# Allegro board Coral-Dev-Board-Mini-layout-Allegro.brd (continued)
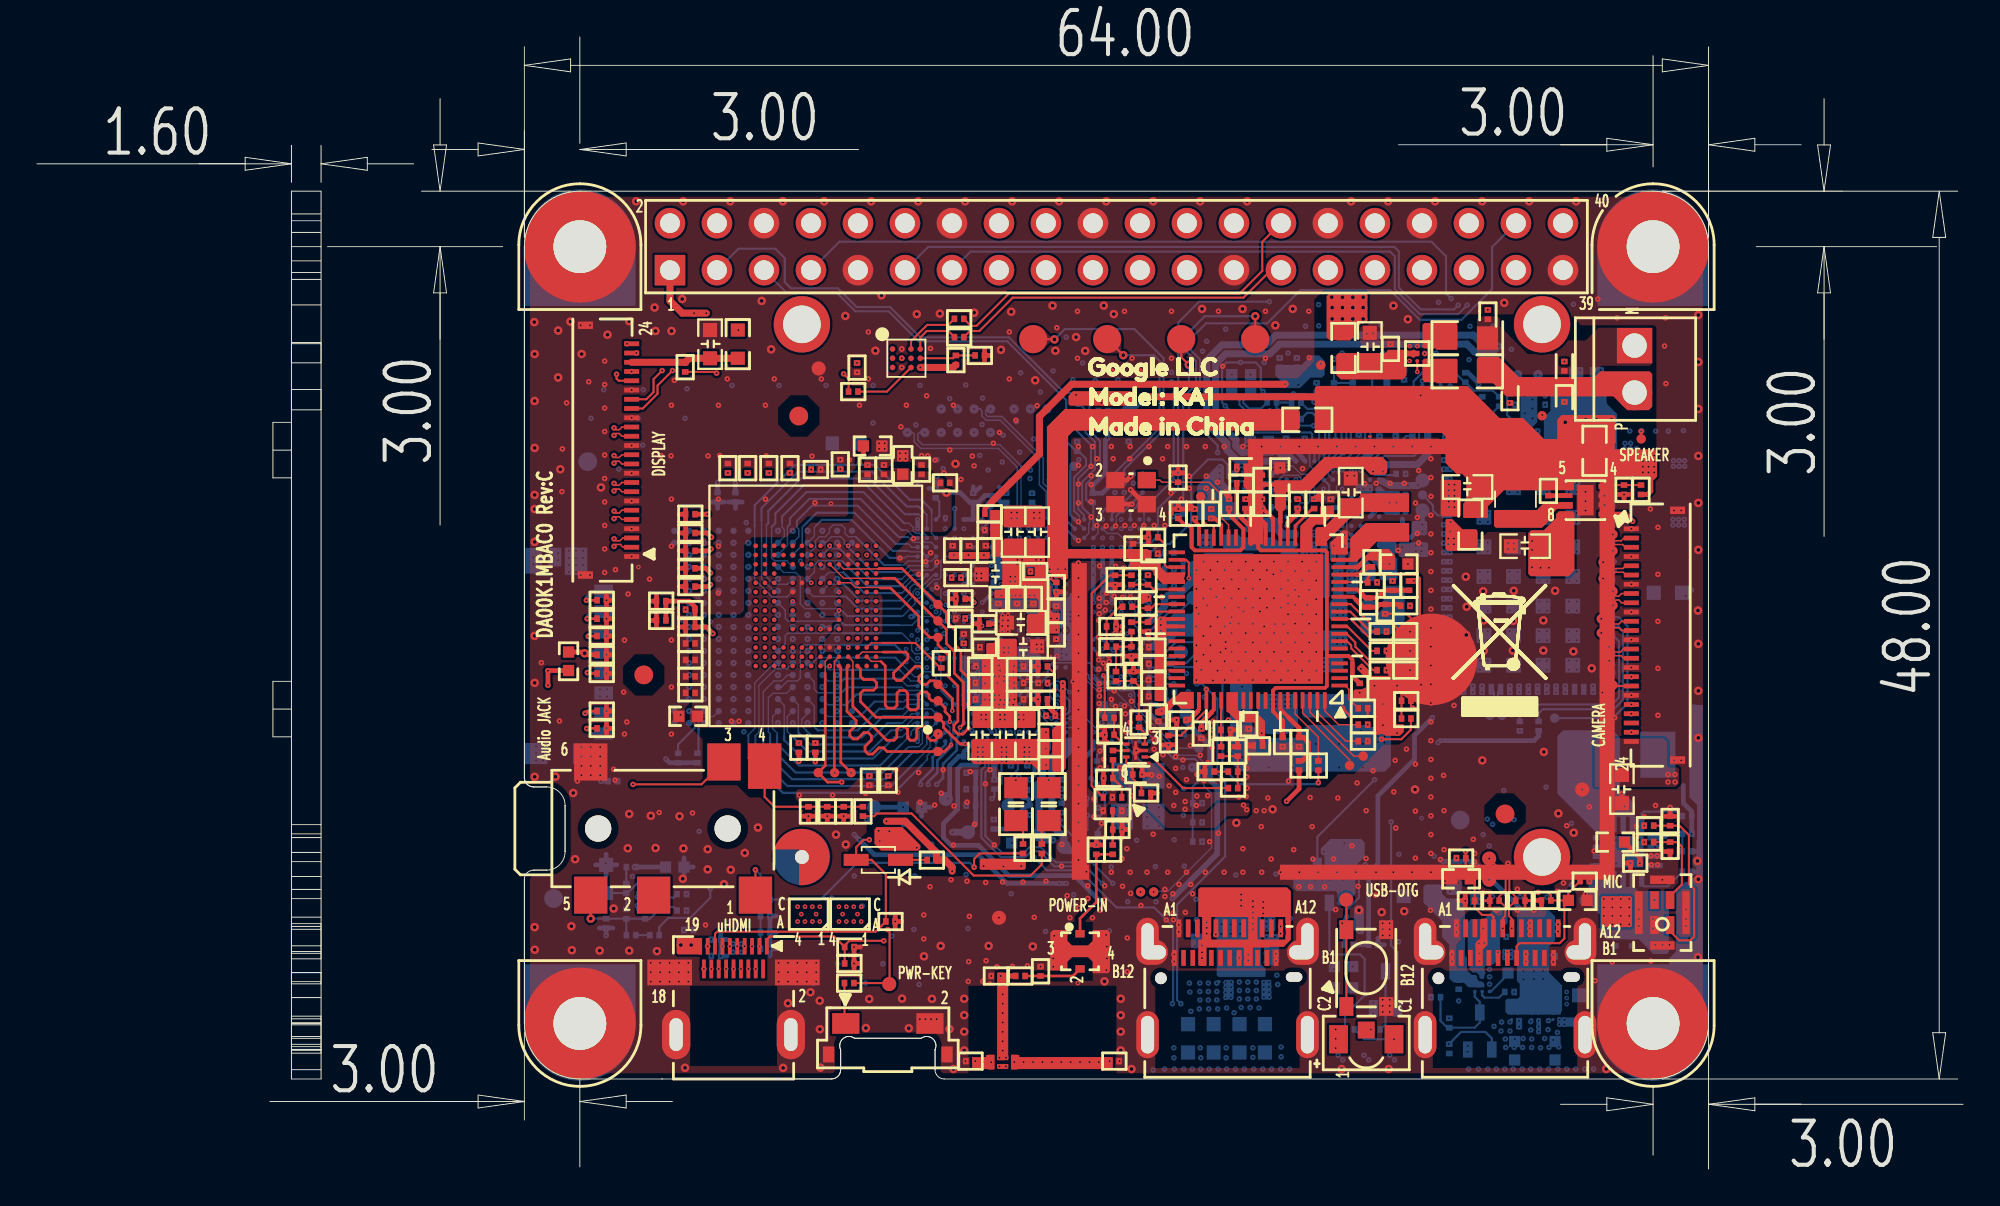
[diagram p0: board, top side]
## Routing (per net, layer and track width the routed paths; a pad name or vN(x,y) marks a point on that pad's centre or on a via; arc(x,y) is an arc through that point) (continued)
SYSRST_B: length 23.1
  TOP w0.114: v3(63.2,25.94) 63.2,25.8 63.2,25.8 U8.60 63.2,24.81 61.83,23.44 R97.1
  L04_IN2 w0.084: v15(63.48,28.16) 63.73,27.91 63.73,27.3 63.2,26.77 v3(63.2,25.94)
  L07_IN3 w0.084: v15(63.48,28.16) 63.48,28.35 62.35,29.48 62.35,31.4 61.19,32.56 60.99,32.56 59.59,33.96 59.59,34.44 56.31,37.72 v9(56.31,38.35)
  BOTTOM w0.114: U6.V1 55.84,35.37 55.84,37.8 TP10.1 56.31,38.27 v9(56.31,38.35)
TS_INTB: length 52.9
  L08_IN4 w0.089: v10(51.02,24.38) 51.02,23.73 50.59,23.29 50.59,22.93 49.71,22.06 49.71,20.94 48.88,20.11 48.08,20.11 47.09,19.12 43.84,19.12 43.21,19.76 43.2,19.76 43.16,19.79 38.92,19.79 38.35,20.36 30.61,20.36 28.11,22.87 28.11,27.4 27.71,27.8 27.71,40.58 31.25,44.12 v7(32.39,44.12)
  BOTTOM w0.076: v10(51.02,24.38) 51.02,24.18 U6.J24
TS_RESETB: length 54.4
  L08_IN4 w0.089: v10(51.51,24.48) 51.19,24.16 51.19,23.66 50.78,23.25 50.78,22.85 49.91,21.99 49.91,20.26 49.38,19.73 48,19.73 47.13,18.87 43.82,18.87 43.08,19.6 38.84,19.6 38.27,20.17 30.53,20.17 27.92,22.79 27.92,27.32 27.48,27.76 27.48,40.66 31.44,44.62 v7(31.88,44.62)
  BOTTOM w0.076: U6.K24 52.09,23.72 51.84,23.97 51.84,24.33 51.69,24.48 v10(51.51,24.48)
UART0.RX: length 29.2
  TOP w0.114: TP50.1 54.97,44.87 v17(54.99,44.85)
  L03_IN1 w0.089: J6.10 45.94,49.57 45.94,48.09 47.11,46.92 51.44,46.92 52.62,45.75 52.75,45.75 53.65,44.85 v17(54.99,44.85)
  BOTTOM w0.114: v17(54.99,44.85) 55.55,45.41 59.31,45.41 60.89,43.83 60.89,39.96 58.76,37.83 U5.C2
UART0.TX: length 31.8
  TOP w0.114: v17(58.71,44) TP51.1
  L03_IN1 w0.089: v17(58.71,44) 58.69,44 57.97,44.72 56.6,44.72 55.75,43.86 54.37,43.86 52.67,45.56 52.52,45.56 51.35,46.73 47.01,46.73 45.63,48.11 45.63,49.43 44.97,50.09 42.87,50.09 J6.8
  BOTTOM w0.114: v17(58.71,44) 60.36,44 60.67,43.69 60.67,40.05 58.26,37.64 U5.C1
UART0_RX: length 2.1
  L08_IN4 w0.089: v10(58.59,34.62) 58.84,34.87 58.84,36.49 v9(58.76,36.57)
UART0_TX: length 1.6
  L08_IN4 w0.089: v9(58.26,36.57) 58.59,36.24 v10(58.59,35.12)
UART1.RX: length 27.1
  L07_IN3 w0.084: J6.31 71.33,47.62 69.05,47.62 68.46,47.03 62.09,47.03 60.05,44.99 58.47,44.99 57.19,46.28 v7(57.03,46.28)
  L08_IN4 w0.089: v7(57.03,46.28) 57.22,46.09 57.22,42.72 59.76,40.18 v9(59.76,37.57)
UART1.TX: length 25.4
  L07_IN3 w0.084: J6.29 68.39,47.22 62.01,47.22 59.97,45.18 58.55,45.18 57.16,46.57 56.78,46.57 v7(56.67,46.47)
  L08_IN4 w0.089: v7(56.67,46.47) 56.67,46.19 57.03,45.84 57.03,42.64 59.57,40.1 59.57,37.88 v9(59.26,37.57)
UART1_RX: length 2.7
  BOTTOM w0.076: 58.33,35.31 58.33,34.86 U6.AB2
  BOTTOM w0.114: 58.33,35.31 58.52,35.5 58.69,35.5 U5.A4
UART1_TX: length 1.9
  BOTTOM w0.114: U5.A3 59.26,36.56 58.09,35.39 U6.AB1
UART2_RX: length 4.4
  BOTTOM w0.076: 60.25,29.19 60.24,29.18 60.03,29.18 59.83,28.98 59.83,28.52 59.83,28.51 59.83,28.36 U6.AE15
  BOTTOM w0.114: TP113.1 62.49,30.86 61.83,30.21 61.7,30.21 61.27,30.21 60.25,29.19
UART2_TX: length 2.4
  BOTTOM w0.076: U6.AE16 59.6,27.63 59.85,27.63
  BOTTOM w0.114: TP112.1 61.51,27.64 60.71,27.64 60.71,27.63 59.85,27.63
USB_APEX.USB_APEX_D_M: length 34
  L03_IN1 w0.089: v15(75.06,18.18) 74.88,18 73.31,18 72.27,19.04 65.33,19.04 64.62,19.76 64.62,21.33 62.61,23.34 62.61,25.53 61.22,26.92 60.16,26.92 60,27.07 59.48,27.07 59.27,26.86 59.27,26.75 v15(59.06,26.54)
  L07_IN3 w0.086: v15(59.06,26.54) 59.24,26.36 59.24,26.27 v10(59.09,26.12)
  L08_IN4 w0.089: v9(78.52,24.53) 78.74,24.31 78.74,19.53 77.19,17.98 75.26,17.98 v15(75.06,18.18)
  BOTTOM w0.099: U31.14 78.74,25.79 78.74,24.63 78.65,24.53 v9(78.52,24.53)
USB_APEX.USB_APEX_D_P: length 34
  L03_IN1 w0.089: v15(59.62,26.54) 59.47,26.69 59.47,26.78 59.56,26.87 59.92,26.87 60.07,26.71 61.14,26.71 62.41,25.44 62.41,23.25 64.42,21.25 64.42,19.67 65.25,18.84 72.19,18.84 73.23,17.8 74.88,17.8 v15(75.06,17.62)
  L07_IN3 w0.086: v10(59.59,26.12) 59.44,26.27 59.44,26.36 v15(59.62,26.54)
  L08_IN4 w0.089: v9(79.17,24.53) 78.94,24.3 78.94,19.44 77.28,17.77 75.21,17.77 v15(75.06,17.62)
  BOTTOM w0.099: U31.13 78.95,25.79 78.95,24.63 79.05,24.53 v9(79.17,24.53)
USB_DATA_N: length 34.8
  TOP w0.099: v14(79.7,13.01) 79.7,13.53 79.55,13.69 79.55,14.15 ESD5.2 79.91,14.72 79.57,15.06 79.57,15.95 79.22,16.3 78.96,16.3 v2(78.48,16.78)
  L03_IN1 w0.089: v2(78.48,16.78) 78.48,16.32 78.39,16.22 73.89,16.22 71.91,18.21 64.7,18.21 63.81,19.09 63.81,20.99 61.3,23.51 61.3,25.34 60.77,25.88 59.59,25.88 59.36,25.65 59.36,25.45 v15(59.16,25.25) ; v14(79.7,13.01) 79.56,13.15 79.56,13.39 79.35,13.6 78.96,13.6 78.74,13.38 78.74,12.6 79.12,12.22 79.12,11.87 v14(78.96,11.72)
  L08_IN4 w0.089: v10(59.09,25.62) 59.09,25.32 v15(59.16,25.25)
USB_DATA_P: length 33.3
  TOP w0.099: v14(79.22,13.01) 79.22,13.55 79.35,13.67 79.35,14.19 ESD4.2 79.02,14.73 79.37,15.08 79.37,15.86 79.13,16.1 78.94,16.1 v2(78.48,15.64)
  L03_IN1 w0.089: v15(59.72,25.25) 59.56,25.4 59.56,25.56 59.67,25.67 60.68,25.67 61.1,25.26 61.1,23.42 63.61,20.91 63.61,19.01 64.61,18 71.82,18 73.81,16.02 78.39,16.02 78.48,15.93 v2(78.48,15.64) ; v14(79.47,11.72) 79.32,11.87 79.32,12.3 78.94,12.68 78.94,13.29 79.04,13.39 79.27,13.39 79.36,13.31 79.36,13.15 v14(79.22,13.01)
  L08_IN4 w0.089: v10(59.59,25.62) 59.59,25.37 v15(59.72,25.25)
USB_VBUS_P0: length 2.4
  BOTTOM w0.254: R37.1 60.96,25.49 61.07,25.38 R36.2 60.94,24.66 60.48,25.12 U6.AF21
USB_VRT_P0: length 6.1
  TOP w0.114: R38.2 54.96,26.82 v2(54.96,25.88)
  L03_IN1 w0.089: v2(54.96,25.88) 55.19,25.65 55.91,25.65 57.3,27.05 58.04,27.05 v4(58.09,27)
  L05_POW w0.114: v5(58.21,26.62) 58.21,26.87 v4(58.09,27)
  L06_GND2 w0.114: v5(58.21,26.62) v10(58.59,26.62)
VAUD18_PMU: length 6.9
  L08_IN4 w0.254: v9(73.41,39.64) 72.23,38.47 72.23,37.92 73.02,37.13 73.02,36.21 72.34,35.53 v10(72.3,35.53)
  BOTTOM w0.114: TP81.1 73.44,40.17 R2.1
  BOTTOM w0.254: U1.K7 v10(72.3,35.53)
VAUD22_PMU: length 33.3
  L08_IN4 w0.381: v10(72.04,34.27) 72.56,33.75 72.74,33.75 73.02,33.47 73.02,29.2 70.04,26.22 70.04,25.81 67.53,23.3 66.35,23.3 65.47,23.3 59.74,17.57 56.64,17.57 v9(56.28,17.22)
  BOTTOM w0.381: 54.85,22.1 54.85,18.57 55.49,17.93 TP86.1 55.7,17.22 v9(56.28,17.22)
VAUD28_PMU: length 29.5
  L08_IN4 w0.381: v10(72.54,33.27) 72.54,32.18 71.58,31.22 71.47,31.22 71.12,30.87 71.12,27.98 69.55,26.42 69.55,26.01 67.33,23.78 66.55,23.78 66.55,23.78 65.35,23.78 65.35,23.78 65.27,23.78 59.57,18.08 55.21,18.08 v9(54.91,17.78)
  BOTTOM w0.381: v9(54.91,17.78) 54.45,17.78 TP87.1 54.15,20.02 54.16,20.03
VCAM_AF_PMU: length 75.3
  L07_IN3 w0.254: v10(72.04,36.77) 72.07,36.8 74.09,36.8 v7(74.45,36.44)
  L08_IN4 w0.254: v9(75.41,24.4) 75.44,24.43 75.44,35.45 v7(74.45,36.44) ; v9(57.37,14.55) 60.61,14.55 62.54,16.49 71.11,16.49 71.61,16 71.97,16 v9(71.97,16)
  L08_IN4 w0.381: v9(68.17,42.39) 70.4,40.15 70.4,38.04 ; v9(65.26,32.63) 65.23,32.67 65.23,32.73 65.21,32.75 65.21,33.23 65.4,33.42 65.4,35.79 65.75,36.14 65.75,37.09 66.93,38.28 69.12,38.28
  BOTTOM w0.254: U6.H25 50.98,23.01 50.98,22.02 50.8,21.84 49.96,21.84 49.75,21.64 49.75,19.45 48.99,18.69 48.99,17.9 49.4,17.5 50.89,17.5 52.52,15.86 56.06,15.86 v9(57.37,14.55) ; R54.2 C205.1 v9(71.97,16) 72.47,16.5 72.47,20.17 74.45,22.15 74.45,23.44 v9(75.41,24.4)
  vias: v10(71.44,36.77) v10(71.69,36.77) v12(71.44,36.77) v12(71.69,36.77)
VCDT: length 5.2
  BOTTOM w0.114: R35.1 R34.2 70.76,41.33 70.76,39.18 70.04,38.46 U1.F1
VCORE_FB: length 17.4
  L03_IN1 w0.102: v4(67.05,31.72) 66.77,31.44 64.7,31.44 61.72,28.47 56.85,28.47 55.86,27.48 54.87,27.48 54.79,27.55 NC1.1
  L05_POW w0.102: v5(67.15,34.36) 67.15,31.82 v4(67.05,31.72)
  L06_GND2 w0.102: v10(67.54,34.77) 67.15,34.38 v5(67.15,34.36)
VCORE_PMU: length 2.2
  TOP w0.254: C54.2 v19(51.76,29.48)
  L03_IN1 w0.102: v15(55.03,28.18) 54.79,27.94 NC1.2
  L04_IN2 w0.254: v15(53.66,32.17) v15(53.2,32.17)
  L07_IN3 w0.254: v15(51.72,28.75) 51.84,28.62 v10(52.09,28.62)
  L08_IN4 w0.254: v15(51.72,28.75) 51.84,28.62 v10(52.09,28.62)
  vias: v1(55.09,29.15) v2(55.09,29.15) v3(55.09,29.15) v4(55.09,29.15) v5(64.9,32.46) v5(64.9,32) v5(64.9,31.54) v5(64.9,31.09) v10(51.59,30.62) v10(52.58,31.12) v10(52.76,31.89) v10(52.76,31.64) v10(52.76,31.38) v10(52.83,31.12) v10(53.01,31.84) v10(53.09,31.12) v10(53.34,31.77) v10(53.34,31.12) v10(53.6,31.12) v10(53.6,30.86) v10(53.6,30.61) v10(53.83,31.77) v10(53.85,31.12) v10(54.1,31.12) v10(54.28,30.83) v10(54.36,31.12) v10(54.31,30.57) v10(54.46,31.64) v10(54.46,31.38) v10(54.61,31.12) v10(54.59,30.62) v10(54.71,31.38) v10(54.79,30.83) v10(55.12,27.79) v10(55.38,28.37) v10(55.38,28.12) v10(55.38,27.86) v10(55.38,27.61) v10(55.59,30.12) v10(55.59,29.87) v10(55.59,29.61) v10(55.63,28.52) v10(55.63,27.81) v10(55.84,30.12) v10(55.84,29.87) v10(55.84,29.61) v10(56.1,30.12) v10(56.1,29.87) v10(56.1,29.61) v10(56.09,28.13) v10(56.09,27.87) v10(56.09,27.62) v10(65.25,32.15) v10(65.25,31.9) v10(65.25,31.64) v10(65.25,31.39) v10(65.25,31.14) v10(65.25,30.88) v10(65.5,32.15) v10(65.5,31.9) v10(65.5,31.64) v10(65.5,31.39) v10(65.5,31.14) v10(65.5,30.88) v10(65.76,32.15) v10(65.76,31.9) v10(65.76,31.64) v10(65.76,31.39) v10(65.76,31.14) v10(65.76,30.88) v11(51.59,30.62) v11(52.58,31.12) v11(52.76,31.89) v11(52.76,31.64) v11(52.76,31.38) v11(52.83,31.12) v11(53.01,31.84) v11(53.09,31.12) v11(53.34,31.77) v11(53.34,31.12) v11(53.6,31.12) v11(53.6,30.86) v11(53.6,30.61) v11(53.83,31.77) v11(53.85,31.12) v11(54.1,31.12) v11(54.28,30.83) v11(54.36,31.12) v11(54.31,30.57) v11(54.46,31.64) v11(54.46,31.38) v11(54.61,31.12) v11(54.59,30.62) v11(54.71,31.38) v11(54.79,30.83) v11(55.12,27.79) v11(55.38,28.37) v11(55.38,28.12) v11(55.38,27.86) v11(55.38,27.61) v11(55.59,30.12) v11(55.59,29.87) v11(55.59,29.61) v11(55.63,28.52) v11(55.63,27.81) v11(55.84,30.12) v11(55.84,29.87) v11(55.84,29.61) v11(56.1,30.12) v11(56.1,29.87) v11(56.1,29.61) v11(56.09,28.13) v11(56.09,27.87) v11(56.09,27.62) v11(65.25,32.15) v11(65.25,31.9) v11(65.25,31.64) v11(65.25,31.39) v11(65.25,31.14) v11(65.25,30.88) v11(65.5,32.15) v11(65.5,31.9) v11(65.5,31.64) v11(65.5,31.39) v11(65.5,31.14) v11(65.5,30.88) v11(65.76,32.15) v11(65.76,31.9) v11(65.76,31.64) v11(65.76,31.39) v11(65.76,31.14) v11(65.76,30.88) v12(51.59,30.62) v12(52.58,31.12) v12(52.76,31.89) v12(52.76,31.64) v12(52.76,31.38) v12(52.83,31.12) v12(53.01,31.84) v12(53.09,31.12) v12(53.34,31.77) v12(53.34,31.12) v12(53.6,31.12) v12(53.6,30.86) v12(53.6,30.61) v12(53.83,31.77) v12(53.85,31.12) v12(54.1,31.12) v12(54.28,30.83) v12(54.36,31.12) v12(54.31,30.57) v12(54.46,31.64) v12(54.46,31.38) v12(54.61,31.12) v12(54.59,30.62) v12(54.71,31.38) v12(54.79,30.83) v12(55.12,27.79) v12(55.38,28.37) v12(55.38,28.12) v12(55.38,27.86) v12(55.38,27.61) v12(55.59,30.12) v12(55.59,29.87) v12(55.59,29.61) v12(55.63,28.52) v12(55.63,27.81) v12(55.84,30.12) v12(55.84,29.87) v12(55.84,29.61) v12(56.1,30.12) v12(56.1,29.87) v12(56.1,29.61) v12(56.09,28.13) v12(56.09,27.87) v12(56.09,27.62) v12(65.25,32.15) v12(65.25,31.9) v12(65.25,31.64) v12(65.25,31.39) v12(65.25,31.14) v12(65.25,30.88) v12(65.5,32.15) v12(65.5,31.9) v12(65.5,31.64) v12(65.5,31.39) v12(65.5,31.14) v12(65.5,30.88) v12(65.76,32.15) v12(65.76,31.9) v12(65.76,31.64) v12(65.76,31.39) v12(65.76,31.14) v12(65.76,30.88) v13(52.12,31.01) v13(52.38,31) v13(52.61,32.02) v13(52.61,31.77) v13(52.63,31) v13(52.86,32.02) v13(52.86,31.77) v13(52.89,31) v13(52.98,32.94) v13(52.98,32.68) v13(53.14,31) v13(53.24,32.94) v13(53.24,32.68) v13(53.39,31) v13(53.65,31) v13(53.9,31) v13(54,32.94) v13(54,32.68) v13(54.25,32.94) v13(54.25,32.68) v13(54.81,29.76) v13(54.81,29.48) v13(55.12,29.76) v13(55.11,29.48) v14(52.12,31.01) v14(52.38,31) v14(52.61,32.02) v14(52.61,31.77) v14(52.63,31) v14(52.86,32.02) v14(52.86,31.77) v14(52.89,31) v14(52.98,32.94) v14(52.98,32.68) v14(53.14,31) v14(53.24,32.94) v14(53.24,32.68) v14(53.39,31) v14(53.65,31) v14(53.9,31) v14(54,32.94) v14(54,32.68) v14(54.25,32.94) v14(54.25,32.68) v14(54.81,29.76) v14(54.81,29.48) v14(55.12,29.76) v14(55.11,29.48) v15(51.74,30.95) v15(52.33,30.64) v15(52.68,32.38) v15(52.78,30.66) v15(53.11,31.48) v15(53.24,30.66) v15(53.59,31.48) v15(53.95,30.64) v15(54.07,31.48) v15(54.16,31.97) v15(55.15,30.58) v15(55.61,30.58) v15(55.73,28.18) v15(56.05,29.16) v15(56.01,28.67) v15(56.47,30) v16(51.59,30.62) v16(52.58,31.12) v16(52.76,31.89) v16(52.76,31.64) v16(52.76,31.38) v16(52.83,31.12) v16(53.01,31.84) v16(53.09,31.12) v16(53.34,31.77) v16(53.34,31.12) v16(53.6,31.12) v16(53.6,30.86) v16(53.6,30.61) v16(53.83,31.77) v16(53.85,31.12) v16(54.1,31.12) v16(54.28,30.83) v16(54.36,31.12) v16(54.31,30.57) v16(54.46,31.64) v16(54.46,31.38) v16(54.61,31.12) v16(54.59,30.62) v16(54.71,31.38) v16(54.79,30.83) v16(55.12,27.79) v16(55.38,28.37) v16(55.38,28.12) v16(55.38,27.86) v16(55.38,27.61) v16(55.59,30.12) v16(55.59,29.87) v16(55.59,29.61) v16(55.63,28.52) v16(55.63,27.81) v16(55.84,30.12) v16(55.84,29.87) v16(55.84,29.61) v16(56.1,30.12) v16(56.1,29.87) v16(56.1,29.61) v16(56.09,28.13) v16(56.09,27.87) v16(56.09,27.62) v16(65.25,32.15) v16(65.25,31.9) v16(65.25,31.64) v16(65.25,31.39) v16(65.25,31.14) v16(65.25,30.88) v16(65.5,32.15) v16(65.5,31.9) v16(65.5,31.64) v16(65.5,31.39) v16(65.5,31.14) v16(65.5,30.88) v16(65.76,32.15) v16(65.76,31.9) v16(65.76,31.64) v16(65.76,31.39) v16(65.76,31.14) v16(65.76,30.88) v18(52.12,31.01) v18(52.38,31) v18(52.61,32.02) v18(52.61,31.77) v18(52.63,31) v18(52.86,32.02) v18(52.86,31.77) v18(52.89,31) v18(52.98,32.94) v18(52.98,32.68) v18(53.14,31) v18(53.24,32.94) v18(53.24,32.68) v18(53.39,31) v18(53.65,31) v18(53.9,31) v18(54,32.94) v18(54,32.68) v18(54.25,32.94) v18(54.25,32.68) v18(54.81,29.76) v18(54.81,29.48) v18(55.12,29.76) v18(55.11,29.48) v19(52.12,31.01) v19(52.38,31) v19(52.61,32.02) v19(52.61,31.77) v19(52.63,31) v19(52.86,32.02) v19(52.86,31.77) v19(52.89,31) v19(52.98,32.94) v19(52.98,32.68) v19(53.14,31) v19(53.24,32.94) v19(53.24,32.68) v19(53.39,31) v19(53.65,31) v19(53.9,31) v19(54,32.94) v19(54,32.68) v19(54.25,32.94) v19(54.25,32.68) v19(54.81,29.76) v19(54.81,29.48) v19(55.12,29.76) v19(55.11,29.48)
VDIG18_PMU: length 0.9
  BOTTOM w0.114: U1.A6 C15.1
VELDO18_PMU: length 30.2
  TOP w0.254: 51.61,36.09 51.23,35.71 R25.2
  TOP w0.381: 51.61,36.09 54.17,38.65 54.17,40.69 55.92,42.43 67.44,42.43 v7(67.46,42.44)
  L08_IN4 w0.381: v10(72.04,36.27) 72.26,36.27 72.49,36.49 72.49,37.03 71.43,38.09 71.43,38.43 71.1,38.77 71.1,40.14 68.37,42.87 67.89,42.87 67.86,42.84 v7(67.46,42.44)
VEMC33_PMU: length 63.6
  TOP w0.381: v3(45.91,18.8) 46.92,18.8 48.62,17.11 R105.2 49.08,16.7 49.46,16.32 v7(49.46,16.1)
  L04_IN2 w0.381: v3(45.91,18.8) 44.88,19.83 41.12,19.83 39.47,21.48 39.47,22.68 v3(37.94,24.21) v3(37.53,24.21)
  L08_IN4 w0.254: v10(71.59,35.27) 71.93,35.27 72,35.2 72.85,35.2
  L08_IN4 w0.381: v9(49.48,18.21) 49.46,18.19 v7(49.46,16.1) 51.1,14.46 53.42,14.46 54.89,15.92 56.56,15.92 57.18,16.54 59.7,16.54 59.7,16.54 60.16,16.54 65.95,22.33 67.93,22.33 71,25.41 71,25.82 73.99,28.8 73.99,34.44 73.23,35.2 72.85,35.2
  BOTTOM w0.254: U1.J5 71.39,36.12 71.39,35.46 v10(71.59,35.27) ; TP67.1 50.73,18.62 C74.2 C76.2 C75.2
  BOTTOM w0.381: TP67.1 v9(49.48,18.21)
VGP1_PMU: length 58.9
  TOP w0.381: R171.1 49.52,43.34 v2(47.74,43.34) ; v6(36.17,46.27) v6(35.51,46.27) 34.88,46.27 34.21,46.94 J6.1
  L03_IN1 w0.381: v2(47.74,43.34) 47.75,43.35 v15(47.75,43.84) v15(47.24,43.84) v2(46.74,43.84) 45.82,43.84 45.57,43.58 v2(44.32,43.58)
  L07_IN3 w0.381: v6(35.51,46.27) v6(36.17,46.27) 36.73,46.27 39.45,43.56 46.96,43.56 v15(47.24,43.84) 47.26,43.86 47.78,43.86 ; 47.78,43.86 v15(47.75,43.84) ; 47.78,43.86 47.96,43.68 58.29,43.68 58.49,43.48 59.18,43.48 59.71,44 62.47,44 62.89,43.58 v7(68.07,43.58) 68.53,43.58 v7(68.53,43.58)
  L08_IN4 w0.381: v15(47.24,43.84) v15(47.75,43.84) ; v9(74.09,36.95) 74.58,36.95 74.6,36.98 v9(74.63,36.98) 74.6,37 74.6,37.82 73.89,38.53 73.89,39.8 73.43,40.25 71.85,40.25 v7(68.53,43.58) 68.08,43.58 v7(68.07,43.58)
  BOTTOM w0.254: 72.7,37.18 U1.L3
  BOTTOM w0.381: 72.7,37.18 73.03,37.03 73.03,37.03 73.19,36.95 v9(74.09,36.95) 74.6,36.95 v9(74.63,36.98) TP85.1
VGP2_PMU: length 30.7
  L07_IN3 w0.381: J6.17 54.53,47.77 57.69,44.62 60.05,44.62 60.05,44.63 62.58,44.63 63.02,44.19 68.59,44.19 68.6,44.19 68.97,44.19 68.98,44.19 72.06,44.19 72.93,43.33 v9(72.95,43.33) v9(72.95,42.87)
  BOTTOM w0.254: U1.L2 72.66,37.77 72.74,37.85
  BOTTOM w0.381: v9(72.95,43.33) v9(72.95,42.87) 72.95,41.8 TP84.1 73.18,41.52 74.08,41.52 75.16,40.44 75.16,38.65 74.6,38.09 72.98,38.09 72.74,37.85
VIO18_PMU: length 63.9
  TOP w0.114: R72.2 74.25,25.03 v4(74.37,24.91)
  TOP w0.229: v4(64.85,37.8) 64.84,37.8 R9.2
  TOP w0.254: v4(86.23,35.02) 85.85,35.41 U29.1 ; v4(67.53,19.88) 68.21,20.56 R14.2
  L04_IN2 w0.381: v9(30.47,20.97) 31.62,20.97 31.89,21.24 38.83,21.24 40.84,19.22 44.53,19.22 45.44,18.31 46.21,18.31 47.4,19.5 v4(49.25,19.5)
  L05_POW w0.254: v5(50.09,33.47) 49.81,33.19 v19(49.56,33.19) ; 52.09,32.35 v5(52.09,31.97) ; v5(50.57,32.76) 50.34,32.99 v19(50.34,33.19)
  L06_GND2 w0.254: v10(50.59,33.12) 50.59,32.78 v5(50.57,32.76) ; v10(56.62,26.12) 56.61,26.12 56.01,26.12 v5(55.83,26.31) ; v10(55.59,33.62) v5(55.59,33.97) ; v10(50.09,33.12) v5(50.09,33.47) ; v10(52.09,31.62) v5(52.09,31.97)
  L07_IN3 w0.254: v9(61.95,32.84) 61.22,33.56 v6(60.71,33.56) ; v7(56.7,20.54) 56.7,20.57 57.08,20.95 57.08,22.82 57.1,22.85 ; v10(60.09,25.59) 60.28,25.41 60.28,24.98 60.57,24.68 60.57,22.95 60.32,22.7 58.05,22.7 57.69,22.7 57.41,22.98
  L08_IN4 w0.254: v9(56.47,20.85) 56.7,20.62 v7(56.7,20.54) ; v7(58.51,36.9) 58.68,37.07 v9(58.76,37.07) v9(59.26,37.07)
  BOTTOM w0.203: U6.N25 53.52,23.05 C73.2 53.65,22.32 53.9,22.06 53.9,21.3 v9(53.65,21.05)
  BOTTOM w0.229: U6.G25 50.59,23.05 50.09,22.56 C69.2
  BOTTOM w0.254: C81.2 50.85,36.03 51.23,36.41 51.74,36.41 52.12,36.03 C80.2 52.38,35.5 52.76,35.12 U6.M1 ; C81.2 50.6,35.13 U6.G1 U6.F1 ; C81.2 50.43,36.03 49.89,36.57 v17(49.15,36.57) ; v9(77.9,42.41) 77.9,42.49 77.34,43.05 R24.2 ; v9(61.95,32.84) 61.95,32.22 61.72,32 61.19,32 60.94,31.74 C82.2 60.63,31.54 60.21,31.12 U6.AF9 ; R55.2 81.15,23.41 80.9,23.16 75.82,23.16 v9(75.72,23.06) ; TP80.1 49.32,20.21 49.32,21.81 49.83,22.32 C69.2 ; U6.AF19 v10(60.09,25.59) ; R83.1 v9(30.47,20.97)
  vias: v1(55.44,26.26) v1(55.44,25.95) v1(74.2,30.45) v2(55.44,26.26) v2(55.44,25.95) v2(74.2,30.45) v3(55.44,26.26) v3(55.44,25.95) v3(74.2,30.45) v4(55.44,26.26) v4(55.44,25.95) v4(74.2,30.45) v5(48.64,38.35) v5(48.97,37.87) v5(49.23,20.03) v5(51.71,18.89) v5(62.97,17.7) v5(72.79,29.87) v5(72.79,29.41) v5(72.79,28.95) v5(75.37,41.83) v5(75.87,41.83) v5(77.19,41.24) v5(80.39,41.78) v5(80.42,40.86) v5(80.39,40.35) v5(80.82,41.6) v5(80.82,41.12) v5(80.82,40.58) v6(48.64,38.35) v6(48.97,37.87) v6(49.23,20.03) v6(51.71,18.89) v6(62.97,17.7) v6(71.88,29.56) v6(71.88,29.26) v6(72.18,29.56) v6(72.18,29.26) v6(75.37,41.83) v6(75.87,41.83) v6(77.19,41.24) v6(80.39,41.78) v6(80.42,40.86) v6(80.39,40.35) v6(80.82,41.6) v6(80.82,41.12) v6(80.82,40.58) v7(48.64,38.35) v7(48.97,37.87) v7(49.23,20.03) v7(51.71,18.89) v7(62.97,17.7) v7(71.88,29.56) v7(71.88,29.26) v7(72.18,29.56) v7(72.18,29.26) v7(75.37,41.83) v7(75.87,41.83) v7(77.19,41.24) v7(80.39,41.78) v7(80.42,40.86) v7(80.39,40.35) v7(80.82,41.6) v7(80.82,41.12) v7(80.82,40.58) v8(48.64,38.35) v8(48.97,37.87) v8(49.23,20.03) v8(51.71,18.89) v8(62.97,17.7) v8(71.88,29.56) v8(71.88,29.26) v8(72.18,29.56) v8(72.18,29.26) v8(75.37,41.83) v8(75.87,41.83) v8(77.19,41.24) v8(80.39,41.78) v8(80.42,40.86) v8(80.39,40.35) v8(80.82,41.6) v8(80.82,41.12) v8(80.82,40.58) v9(48.64,38.35) v9(48.97,37.87) v9(49.23,20.03) v9(51.71,18.89) v9(62.97,17.7) v9(71.88,29.56) v9(71.88,29.26) v9(72.18,29.56) v9(72.18,29.26) v9(75.37,41.83) v9(75.87,41.83) v9(77.19,41.24) v9(80.39,41.78) v9(80.42,40.86) v9(80.39,40.35) v9(80.82,41.6) v9(80.82,41.12) v9(80.82,40.58) v10(56.59,24.62) v11(56.59,24.62) v12(56.59,24.62) v13(51.18,33.19) v14(51.18,33.19) v18(51.18,33.19) v19(51.18,33.19)
VMC_PMU: length 15.7
  L08_IN4 w0.381: 69.6,37.29 69.03,37.29 68.56,37.76 67.1,37.76 66.23,36.89 66.23,35.94 65.88,35.59 65.88,33.21 v9(65.69,33.02)
  BOTTOM w0.381: U6.AF12 60.15,29.62 60.94,30.41 C77.2 60.94,30.83 61.13,31.02 61.68,31.02 62.53,31.87 62.53,32.47 TP95.1 63.18,33.12 65.61,33.12 65.69,33.04 v9(65.69,33.02)
  vias: v10(71.78,35.77) v10(72.04,35.77) v12(71.78,35.77) v12(72.04,35.77)
VMCH_PMU: length 73.1
  TOP w0.254: v7(27.61,26.16) v7(27.61,26.94) 27.62,26.95 R124.2
  L08_IN4 w0.254: v7(27.61,26.94) v7(27.61,26.16) 27.61,22.65 30.48,19.78 38.13,19.78 38.66,19.25 43,19.25 v9(44.17,18.08) v9(44.45,17.8) ; v9(74.88,34.84) v9(74.88,34.46) 74.88,28.6 71.78,25.5 71.78,24.84 68.47,21.53 66.65,21.53 66.04,20.92 65.13,20.92 60.33,16.12 59.88,16.12 59.88,16.12 57.45,16.12 56.76,15.44 v9(55.62,15.44) v9(55.24,15.44)
  BOTTOM w0.254: v9(44.17,18.08) v9(44.45,17.8) 45.25,16.99 50.87,16.99 52.42,15.44 v9(55.24,15.44) v9(55.62,15.44) ; U1.L8 73.17,34.77 C20.2 73.27,34.47 73.36,34.39 73.36,34.38 73.58,34.16 74.25,34.16 C17.2 74.88,34.79 TP66.1
VMCH_PMU_R: length 2.7
  TOP w0.254: R124.1 29.52,27.95 v17(29.59,27.88) 29.67,27.81 C200.1
  BOTTOM w0.254: J5.4 29.65,27.94 v17(29.59,27.88)
VPROC_FB: length 20.5
  L03_IN1 w0.102: v4(67.03,30.6) 66.9,30.73 64.87,30.73 62,27.86 57.08,27.86 56.11,26.89 54.1,26.89 53.89,26.69 NC3.1
  L05_POW w0.102: v4(67.03,30.6) 67.56,31.14 67.56,33.56 68.56,34.56 v5(68.56,34.77)
  L06_GND2 w0.102: v5(68.56,34.77) 68.56,35.24 v10(68.54,35.27)
VPROC_PMU: length 0.2
  L03_IN1 w0.102: NC3.2 53.34,26.69 53.27,26.76
  vias: v5(63.93,25.9) v5(63.93,25.45) v5(63.93,24.99) v5(64.38,25.9) v5(64.38,25.45) v5(64.38,24.99) v6(63.93,25.9) v6(63.93,25.45) v6(63.93,24.99) v6(64.38,25.9) v6(64.38,25.45) v6(64.38,24.99) v10(51.58,26.62) v10(51.58,26.36) v10(51.58,25.62) v10(51.58,25.36) v10(51.84,26.62) v10(51.84,26.36) v10(51.84,25.62) v10(51.84,25.36) v10(51.99,27.88) v10(52.09,28.14) v10(52.09,27.64) v10(52.09,27.38) v10(52.09,27.13) v10(52.09,26.87) v10(52.09,26.62) v10(52.09,26.36) v10(52.09,25.62) v10(52.09,25.36) v10(52.09,25.11) v10(52.27,27.88) v10(52.37,28.14) v10(52.38,26.71) v10(52.38,26.46) v10(52.38,25.69) v10(52.63,26.71) v10(52.63,26.46) v10(52.63,26.2) v10(52.63,25.95) v10(52.63,25.69) v10(52.83,27.62) v10(52.83,27.36) v10(52.83,27.11) v10(52.89,26.2) v10(52.89,25.95) v10(53.09,27.62) v10(53.09,27.36) v10(53.09,27.11) v10(53.22,27.87) v10(53.34,28.13) v10(53.34,27.36) v10(53.34,27.11) v10(53.47,27.87) v10(53.6,28.13) v10(53.6,27.11) v10(53.83,27.24) v10(54.09,27.62) v10(66.7,25.52) v10(66.7,25.27) v10(66.7,25.01) v10(66.95,25.52) v10(66.95,25.27) v10(66.95,25.01) v10(67.2,25.52) v10(67.2,25.27) v10(67.2,25.01) v10(67.46,25.52) v10(67.46,25.27) v10(67.46,25.01) v10(67.71,25.52) v10(67.71,25.27) v10(67.71,25.01) v10(67.97,25.52) v10(67.97,25.27) v10(67.97,25.01) v11(51.58,26.62) v11(51.58,26.36) v11(51.58,25.62) v11(51.58,25.36) v11(51.84,26.62) v11(51.84,26.36) v11(51.84,25.62) v11(51.84,25.36) v11(51.99,27.88) v11(52.09,28.14) v11(52.09,27.64) v11(52.09,27.38) v11(52.09,27.13) v11(52.09,26.87) v11(52.09,26.62) v11(52.09,26.36) v11(52.09,25.62) v11(52.09,25.36) v11(52.09,25.11) v11(52.27,27.88) v11(52.37,28.14) v11(52.83,27.62) v11(53.09,27.62) v11(53.22,27.87) v11(53.34,28.13) v11(53.47,27.87) v11(53.6,28.13) v11(54.09,27.62) v11(66.7,25.52) v11(66.7,25.27) v11(66.7,25.01) v11(66.95,25.52) v11(66.95,25.27) v11(66.95,25.01) v11(67.2,25.52) v11(67.2,25.27) v11(67.2,25.01) v11(67.46,25.52) v11(67.46,25.27) v11(67.46,25.01) v11(67.71,25.52) v11(67.71,25.27) v11(67.71,25.01) v11(67.97,25.52) v11(67.97,25.27) v11(67.97,25.01) v12(51.58,26.62) v12(51.58,26.36) v12(51.58,25.62) v12(51.58,25.36) v12(51.84,26.62) v12(51.84,26.36) v12(51.84,25.62) v12(51.84,25.36) v12(51.99,27.88) v12(52.09,28.14) v12(52.09,27.64) v12(52.09,27.38) v12(52.09,27.13) v12(52.09,26.87) v12(52.09,26.62) v12(52.09,26.36) v12(52.09,25.62) v12(52.09,25.36) v12(52.09,25.11) v12(52.27,27.88) v12(52.37,28.14) v12(52.38,26.71) v12(52.38,26.46) v12(52.38,25.69) v12(52.63,26.71) v12(52.63,26.46) v12(52.63,26.2) v12(52.63,25.95) v12(52.63,25.69) v12(52.83,27.62) v12(52.83,27.36) v12(52.83,27.11) v12(52.89,26.2) v12(52.89,25.95) v12(53.09,27.62) v12(53.09,27.36) v12(53.09,27.11) v12(53.22,27.87) v12(53.34,28.13) v12(53.34,27.36) v12(53.34,27.11) v12(53.47,27.87) v12(53.6,28.13) v12(53.6,27.11) v12(53.83,27.24) v12(54.09,27.62) v12(66.7,25.52) v12(66.7,25.27) v12(66.7,25.01) v12(66.95,25.52) v12(66.95,25.27) v12(66.95,25.01) v12(67.2,25.52) v12(67.2,25.27) v12(67.2,25.01) v12(67.46,25.52) v12(67.46,25.27) v12(67.46,25.01) v12(67.71,25.52) v12(67.71,25.27) v12(67.71,25.01) v12(67.97,25.52) v12(67.97,25.27) v12(67.97,25.01) v13(50.98,24.86) v13(51.03,24.56) v13(51.03,24.3) v13(51.23,27.2) v13(51.23,26.25) v13(51.23,25.39) v13(51.23,24.86) v13(51.29,24.56) v13(51.29,24.3) v13(51.49,25.62) v13(51.49,25.36) v13(51.62,26.38) v13(51.74,26.63) v13(51.74,25.62) v13(51.74,25.36) v13(51.9,26.28) v13(52,27.78) v13(52,27.52) v13(52,27.22) v13(52.05,26.94) v13(52,26.63) v13(52,25.62) v13(52.05,25.36) v13(52,25.11) v13(52,24.86) v13(52.05,24.56) v13(52.05,24.3) v13(52.25,28.18) v13(52.25,27.93) v13(52.25,26.63) v13(52.25,26.38) v13(52.25,25.11) v13(52.25,24.86) v13(52.38,25.62) v13(52.3,25.36) v13(52.3,24.56) v13(52.3,24.3) v13(52.5,28.18) v13(52.5,27.93) v13(52.5,26.63) v13(52.5,26.38) v13(52.5,26.13) v13(52.5,25.87) v13(52.56,25.36) v13(52.5,25.11) v13(52.5,24.86) v13(52.76,26.89) v13(52.76,26.63) v13(52.76,25.11) v13(52.76,24.86) v13(52.83,27.63) v13(52.81,27.2) v13(52.8,26.28) v13(52.81,26) v13(52.81,25.75) v13(52.83,25.4) v13(53.01,24.86) v13(53.06,24.56) v13(53.06,24.3) v13(53.32,24.56) v13(53.32,24.3) v14(50.98,24.86) v14(51.03,24.56) v14(51.03,24.3) v14(51.23,27.2) v14(51.23,26.25) v14(51.23,25.36) v14(51.23,24.86) v14(51.29,24.56) v14(51.29,24.3) v14(51.49,25.62) v14(51.49,25.36) v14(51.62,26.38) v14(51.74,26.63) v14(51.74,25.62) v14(51.74,25.36) v14(51.9,26.28) v14(52,27.78) v14(52,27.52) v14(52,27.22) v14(52.05,26.94) v14(52,26.63) v14(52,25.62) v14(52.05,25.36) v14(52,25.11) v14(52,24.86) v14(52.05,24.56) v14(52.05,24.3) v14(52.25,28.18) v14(52.25,27.93) v14(52.25,26.63) v14(52.25,26.38) v14(52.25,25.11) v14(52.25,24.86) v14(52.38,25.62) v14(52.3,25.36) v14(52.3,24.56) v14(52.3,24.3) v14(52.5,28.18) v14(52.5,27.93) v14(52.5,26.63) v14(52.5,26.38) v14(52.5,26.13) v14(52.5,25.87) v14(52.56,25.36) v14(52.5,25.11) v14(52.5,24.86) v14(52.76,26.89) v14(52.76,26.63) v14(52.76,25.11) v14(52.76,24.86) v14(52.83,27.63) v14(52.81,27.2) v14(52.8,26.28) v14(52.81,26) v14(52.81,25.75) v14(52.83,25.4) v14(53.01,24.86) v14(53.06,24.56) v14(53.06,24.3) v14(53.32,24.56) v14(53.32,24.3) v15(51.62,27.95) v15(51.62,27.47) v15(51.67,26.99) v15(51.67,26) v15(51.64,25.01) v15(52.12,26) v15(52.45,27.55) v15(52.45,27.09) v15(52.88,27.99) v15(53.72,27.61) v16(51.58,26.62) v16(51.58,26.36) v16(51.58,25.62) v16(51.58,25.36) v16(51.84,26.62) v16(51.84,26.36) v16(51.84,25.62) v16(51.84,25.36) v16(51.99,27.88) v16(52.09,28.14) v16(52.09,27.64) v16(52.09,27.38) v16(52.09,27.13) v16(52.09,26.87) v16(52.09,26.62) v16(52.09,26.36) v16(52.09,25.62) v16(52.09,25.36) v16(52.09,25.11) v16(52.27,27.88) v16(52.37,28.14) v16(52.83,27.62) v16(53.09,27.62) v16(53.22,27.87) v16(53.34,28.13) v16(53.47,27.87) v16(53.6,28.13) v16(54.09,27.62) v18(50.98,24.86) v18(51.03,24.56) v18(51.03,24.3) v18(51.23,27.2) v18(51.23,26.25) v18(51.23,25.36) v18(51.23,24.86) v18(51.29,24.56) v18(51.29,24.3) v18(51.49,25.62) v18(51.49,25.36) v18(51.62,26.38) v18(51.74,26.63) v18(51.74,25.62) v18(51.74,25.36) v18(51.9,26.28) v18(52,27.78) v18(52,27.52) v18(52,27.22) v18(52.05,26.94) v18(52,26.63) v18(52,25.62) v18(52.05,25.36) v18(52,25.11) v18(52,24.86) v18(52.05,24.56) v18(52.05,24.3) v18(52.25,28.18) v18(52.25,27.93) v18(52.25,26.63) v18(52.25,26.38) v18(52.25,25.11) v18(52.25,24.86) v18(52.38,25.62) v18(52.3,25.36) v18(52.3,24.56) v18(52.3,24.3) v18(52.5,28.18) v18(52.5,27.93) v18(52.5,26.63) v18(52.5,26.38) v18(52.5,26.13) v18(52.5,25.87) v18(52.56,25.36) v18(52.5,25.11) v18(52.5,24.86) v18(52.76,26.89) v18(52.76,26.63) v18(52.76,25.11) v18(52.76,24.86) v18(52.83,27.63) v18(52.81,27.2) v18(52.8,26.28) v18(52.81,26) v18(52.81,25.75) v18(52.83,25.4) v18(53.01,24.86) v18(53.06,24.56) v18(53.06,24.3) v18(53.32,24.56) v18(53.32,24.3) v19(50.98,24.86) v19(51.03,24.56) v19(51.03,24.3) v19(51.23,27.2) v19(51.23,26.25) v19(51.23,25.36) v19(51.23,24.86) v19(51.29,24.56) v19(51.29,24.3) v19(51.49,25.62) v19(51.49,25.36) v19(51.62,26.38) v19(51.74,26.63) v19(51.74,25.62) v19(51.74,25.36) v19(51.9,26.28) v19(52,27.78) v19(52,27.52) v19(52,27.22) v19(52.05,26.94) v19(52,26.63) v19(52,25.62) v19(52.05,25.36) v19(52,25.11) v19(52,24.86) v19(52.05,24.56) v19(52.05,24.3) v19(52.25,28.18) v19(52.25,27.93) v19(52.25,26.63) v19(52.25,26.38) v19(52.25,25.11) v19(52.25,24.86) v19(52.38,25.62) v19(52.3,25.36) v19(52.3,24.56) v19(52.3,24.3) v19(52.5,28.18) v19(52.5,27.93) v19(52.5,26.63) v19(52.5,26.38) v19(52.5,26.13) v19(52.5,25.87) v19(52.56,25.36) v19(52.5,25.11) v19(52.5,24.86) v19(52.76,26.89) v19(52.76,26.63) v19(52.76,25.11) v19(52.76,24.86) v19(52.83,27.63) v19(52.81,27.2) v19(52.8,26.28) v19(52.81,26) v19(52.81,25.75) v19(52.83,25.4) v19(53.01,24.86) v19(53.06,24.56) v19(53.06,24.3) v19(53.32,24.56) v19(53.32,24.3)